# Altium PCB PCB1.PcbDoc
Units mm, origin at the board's own origin, x right, y up, seen from the top; angles counter-clockwise.
Board outline 156.4 x 87.6 mm, 2 copper layers (Top Layer, Bottom Layer); 13 components, 19 nets, 101 pads, 0 vias.
Unrouted connection lines stored in the file: 1.
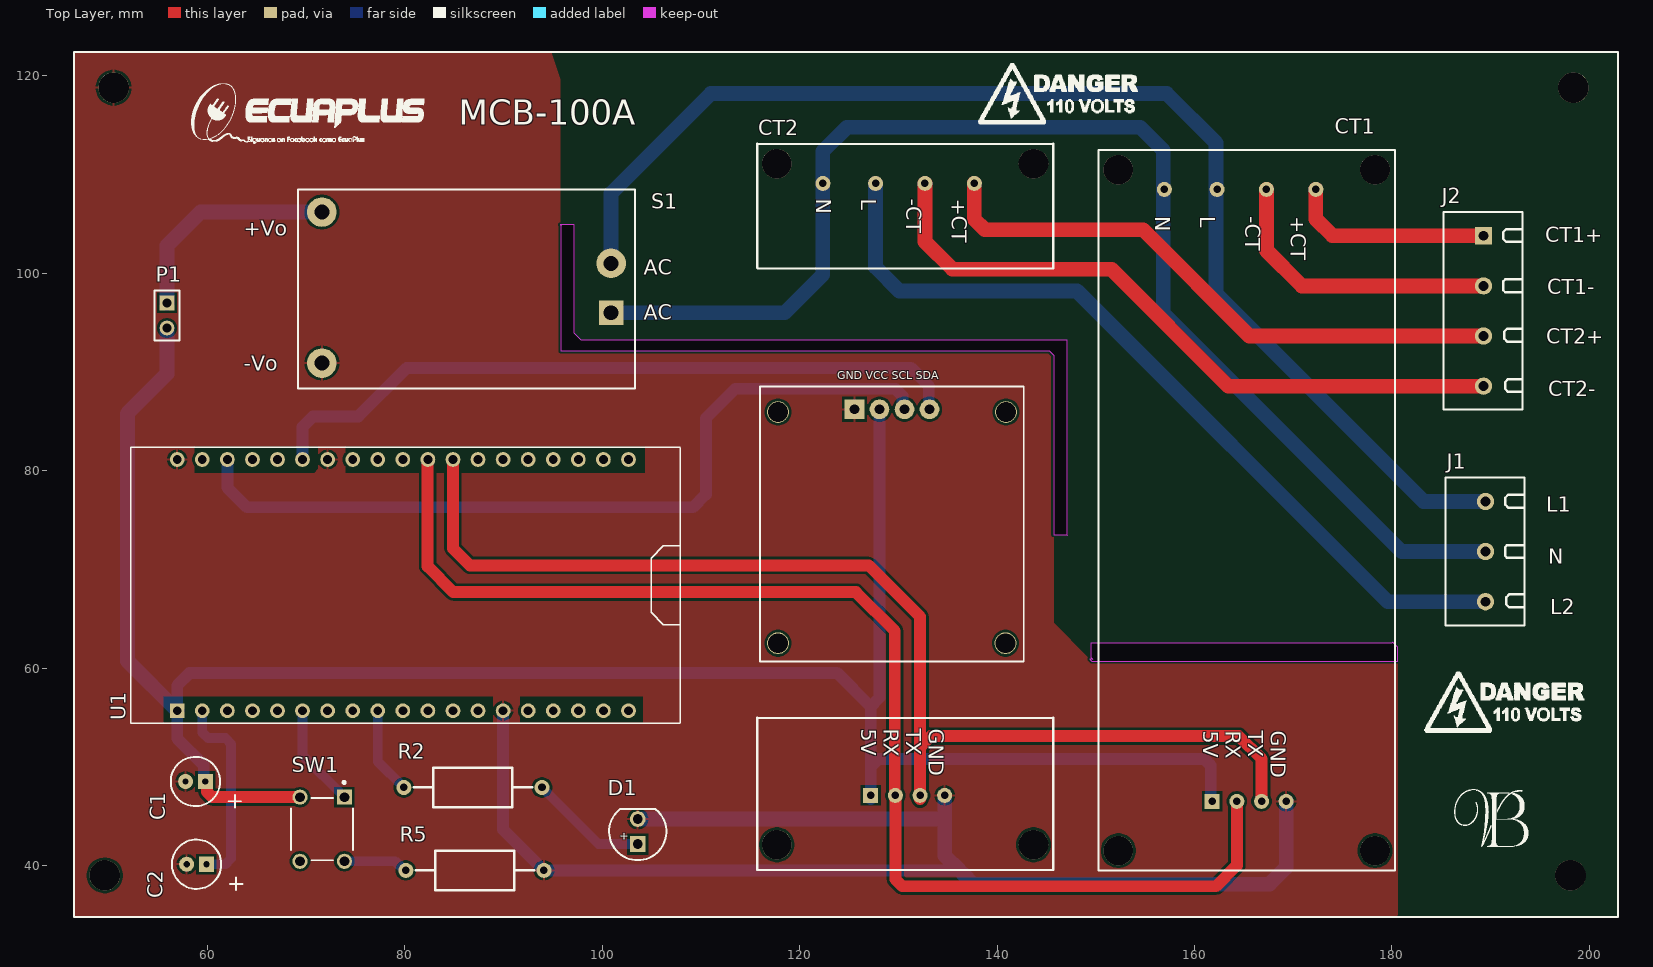
[diagram p0: Top Layer view]
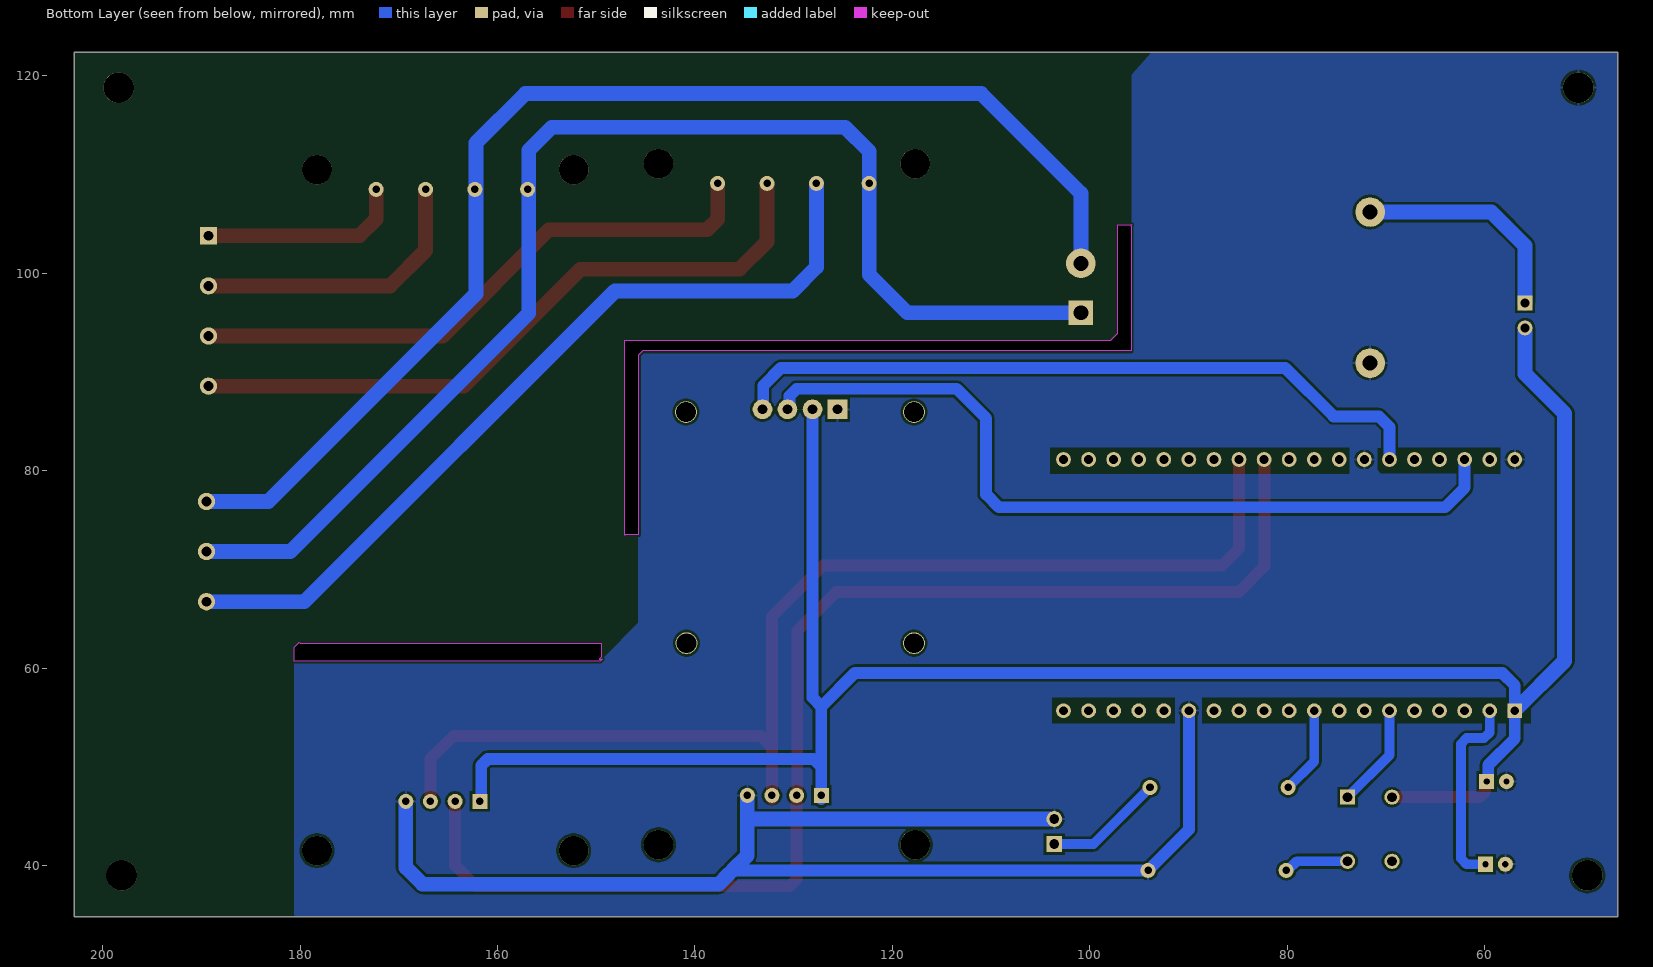
[diagram p1: Bottom Layer view, seen from below]
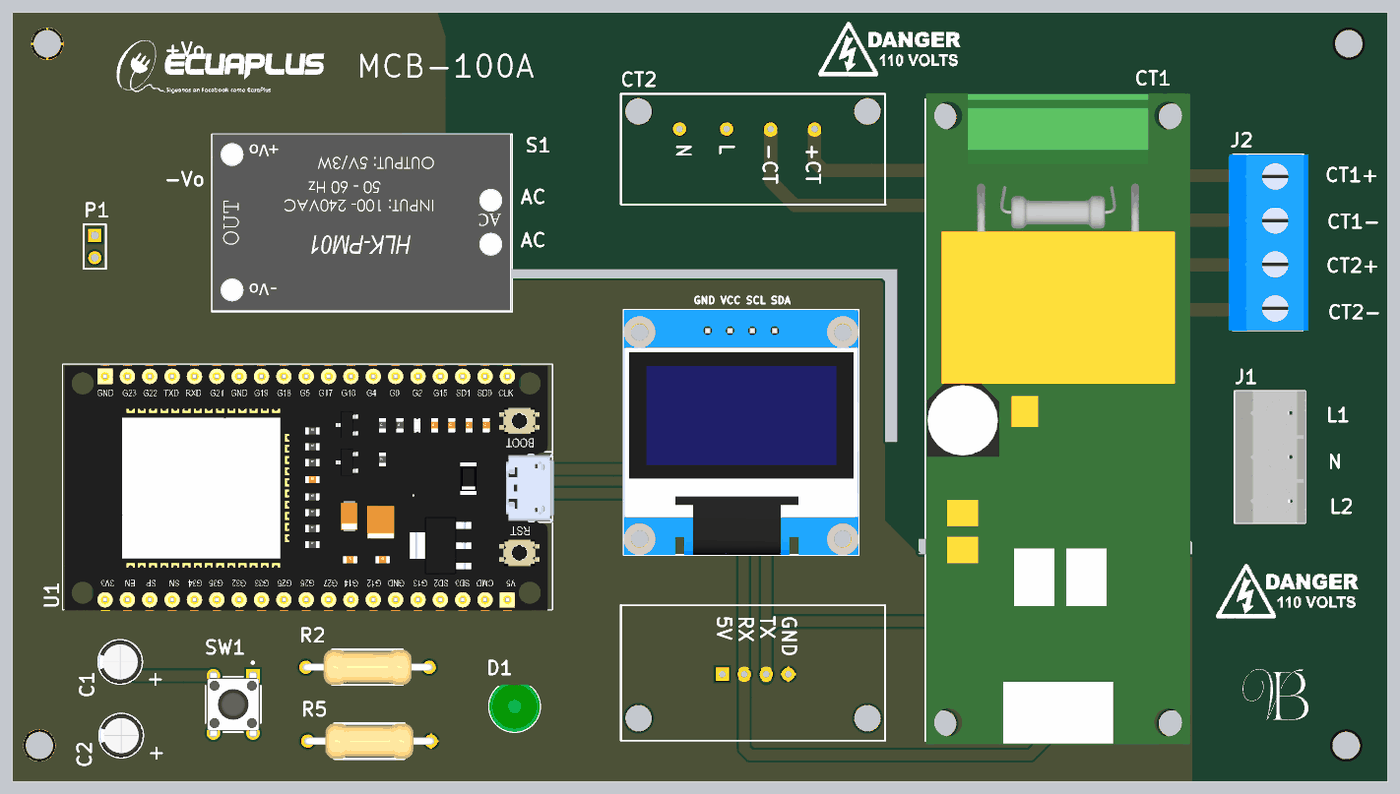
[diagram p2: 3D render of the assembled board from above, using the file's embedded part models]

## Layer stack, top to bottom
Top Solder: solder mask 0.0102, Solder Resist, Dk 3.5
Top Layer: signal copper 0.0356
Dielectric 1: dielectric 0.32, FR-4, Dk 4.8
Bottom Layer: signal copper 0.0356
Bottom Solder: solder mask 0.0102, Solder Resist, Dk 3.5

## Board outline
46.5,34.8 46.5,122.4 202.9,122.4 202.9,34.8
cut-out: 149.4,60.9 149.6,60.7 180.6,60.7 180.6,62.1 180.1,62.6 180,62.5 149.5,62.5 149.5,61.1 149.7,60.9
cut-out: 95.859,104.812 95.789,104.742 95.789,92.124 145.305,92.124 145.729,91.7 145.729,73.5 147.083,73.5 147.129,73.454 147.129,93.2 97.871,93.2 97.171,93.9 97.171,104.912 95.759,104.912

## Design rules (kind name [scope] priority, off if disabled: settings)
Clearance [All] p1: gap=0.254 ignorepadtopadclearanceinfootprint=FALSE except(0: Arc-Hole Track-Hole SMDPad-Hole THPad-Hole Via-Hole Fill-Hole Poly-Hole Region-Hole Text-Hole)
PolygonConnect [All] p1: connectstyle=Relief reliefconductorwidth=0.254 reliefentries=4 polygonreliefangle="90 Angle" airgapwidth=0.254
RoutingVias [All] p1: holewidth=0.711 width=1.27 viastyle="Through Hole" minholewidth=0.711 minwidth=1.27 maxholewidth=0.711 maxwidth=1.27
SolderMaskExpansion [All] p1: expansion=0.102 istentingtop=FALSE
Width [All] p1: maxlimit=3 minlimit=0.254 preferedwidth=1 minimp=50.000000 maximp=50.000000 favimp=50.000000
30 further rules are at their usual default settings.

## Classes and differential pairs
component class sensores: CT1 CT2 J1 J2
component class esquematico: C1 C2 D1 P1 R2 R5 S1 SW1 U1

## Components (designator, comment, footprint, x,y, rotation, side; value= is the part's Value field where it differs from the comment)
C1 "100uF" FP-CAPACITOR 58.784,48.505 r180 top
C2 "10uF" FP-CAPACITOR 58.9,40.124 r180 top
CT1 "PZEM04-100A" FP-PZEM-004-100A 180.375,112.55 r270 top
CT2 "PZEM04-100A_OLED" PZEM100A-OLED 127.2,47.1 r270 top
D1 "LED" FP-LED 104.537,42.096 r90 top
J1 "Aliemtacion AC" "Bornera 3" 193.491,79.258 r270 top
J2 "Bobinas" "BORNERA 4" 189.3,103.8 r270 top
P1 "Header 2" HDR1X2 55.9,97 r270 top
R2 "330Ω" FP-RESISTENCIA 86.9,47.9 r180 top
R5 "10kΩ" FP-RESISTENCIA 87.1,39.5 r180 top
S1 "HLK-PM03" FP-HLK-PW12 103.375,88.45 r180 top
SW1 "Button" FP-BUTTON 71.9,43.624 r270 top
U1 "ESP32-38Pines" ESP32-38pin 79.8,68.4 r90 top

## Footprints (in the part's own frame and the unit in brackets; to place one, negate y for a bottom-side part, rotate by r counter-clockwise, add the part's x,y. Pads: shape width x height; smd on the part's side, far side on the other; paste and mask are expansions set on the pad)
"Bornera 3" [mm]
  round 1.75 hole 1: 1(2.378,-3.991) 2(7.458,-3.991) 3(12.538,-3.991)
  silkscreen extent -0.04,-8.06 14.95,-0.05, body extent -0.04,-7.99 14.96,0.01, height 10
"BORNERA 4" [mm]
  rect 1.75x1.75 hole 1: 1(0,0)
  round 1.75 hole 1: 2(5.08,0) 3(10.16,0) 4(15.24,0)
  silkscreen extent -2.41,-4.06 17.6,3.94, body extent -2.4,-4.5 17.6,4.5, height 12
ESP32-38pin [mm]
  rect 1.5x1.5 hole 0.9: 1(-12.725,22.86)
  round 1.5 hole 0.9: 2(-12.725,20.32) 3(-12.725,17.78) 4(-12.725,15.24) 5(-12.725,12.7) 6(-12.725,10.16) 7(-12.725,7.62) 8(-12.725,5.08) 9(-12.725,2.54) 10(-12.725,0) 11(-12.725,-2.54) 12(-12.725,-5.08) 13(-12.725,-7.62) 14(-12.725,-10.16) 15(-12.725,-12.7) 16(-12.725,-15.24) 17(-12.725,-17.78) 18(-12.725,-20.32) 19(-12.725,-22.86) 20(12.725,-22.86) 21(12.725,-20.32) 22(12.725,-17.78) 23(12.725,-15.24) 24(12.725,-12.7) 25(12.725,-10.16) 26(12.725,-7.62) 27(12.725,-5.08) 28(12.725,-2.54) 29(12.725,0) 30(12.725,2.54) 31(12.725,5.08) 32(12.725,7.62) 33(12.725,10.16) 34(12.725,12.7) 35(12.725,15.24) 36(12.725,17.78) 37(12.725,20.32) 38(12.725,22.86)
  silkscreen extent -13.98,-28.15 13.96,27.55, body extent -14.1,-28.26 13.84,27.32, height 7.01
FP-BUTTON [mm]
  rect 1.54x1.54 hole 0.99 paste-1000 mask+0: 1(-3.298,1.978)
  round 1.54 hole 0.99 paste-1000 mask+0: 2(3.202,1.978) 3(-3.298,-2.522) 4(3.202,-2.522)
  silkscreen extent -4.92,-3.42 3.1,2.87, body extent -4.17,-3.52 4.07,2.97, height 0.25
FP-CAPACITOR [mil]
  rect 60x60 hole 25: 1(-39.37,0)
  round 60 hole 25: 2(39.37,0)
  silkscreen extent -182,-98 98,104, body extent -98,-98 98,98, height 276
FP-HLK-PW12 [mm]
  rect 2.5x2.5 hole 1.5: 1(2.475,-7.55)
  round 3 hole 1.5: 2(2.475,-12.55) 3(31.775,-2.45) 4(31.775,-17.75)
  silkscreen extent 0.05,-20.05 34.18,0.13, body extent 0.18,-20.15 34.18,0.05, height 15.6
FP-LED [mm]
  rect 1.6x1.6 hole 1: 1(0.064,0.937)
  round 1.6 hole 1: 2(2.604,0.937)
  silkscreen extent -1.57,-1.96 3.62,3.84, body extent -1.57,-1.96 3.83,3.84, height 8.72
FP-PZEM-004-100A [mm]
  rect 1.524x1.524 hole 0.762: 1(66.05,-18.575)
  round 1.524 hole 0.762: 2(66.05,-16.075) 3(66.05,-13.575) 4(66.05,-11.075) 5(4.05,-8.075) 6(4.05,-13.075) 7(4.05,-18.075) 8(4.05,-23.425)
  round 3 hole 3: ""(2.05,-2.075) ""(2.05,-28.085) ""(71.05,-28.085) ""(71.05,-2.075)
  silkscreen extent 0.05,-30.08 73.05,-0.08, body extent -0.57,-30 73.43,0, height 16.3
FP-RESISTENCIA [mil]
  round 60 hole 30: 1(-275.59,0) 2(275.59,0)
  silkscreen extent -236,-79 236,79, body extent -291,-79 291,79, height 183
HDR1X2 [mm] "Connector; Header; 2 Position"
  rect 1.5x1.5 hole 0.9: 1(0,0)
  round 1.5 hole 0.9: 2(2.54,0)
  silkscreen extent -1.27,-1.27 3.81,1.27
PZEM100A-OLED [mm]
  rect 1.524x1.524 hole 0.762: 1(0,0)
  round 1.524 hole 0.762: 2(0,2.5) 3(0,5) 4(0,7.5) 5(-62,10.5) 6(-62,5.5) 7(-62,0.5) 8(-62,-4.85)
  rect 2x2 hole 1: 9(-39.115,-1.64)
  round 2 hole 1: 10(-39.115,0.885) 11(-39.115,3.435) 12(-39.115,5.96)
  round 3 hole 3: ""(-64,-9.51) ""(-64,16.5) ""(5,16.5) ""(5,-9.51)
  round 2.2 hole 2: ""(-38.84,-9.39) ""(-38.84,13.71) ""(-15.415,13.66) ""(-15.415,-9.39)
  silkscreen extent -66,-11.53 7.55,18.55, body extent -41.42,-11.19 -13.56,15.51, height 4.77

## Part data
C1 C2: library part "Electrolytic capacitor"
CT1: "Sensor Pzem004 Version 100A"
CT2: "Sensor Pzem004 Version 100A /  / OLED I2C 0.96"
J1: library part "Conector 3"
J2: library part "Conector 4"
P1: "Header, 2-Pin", LatestRevisionDate=17-Jul-2002, LatestRevisionNote="Re-released for DXP Platform.", Publisher="Altium Limited"
R2 R5: library part Resistencia
S1: "100-240V a 3.3V"
SW1: "Button PCB"

## Free pads (board coordinates)
  round 3.1 hole 3.1 mask+0.3: ""(49.6,39) ""(50.5,118.8) ""(198.1,39) ""(198.4,118.8)

## Nets (pads, with @x,y where several pads share a name; then routed paths per layer and width w, separated by ;. In a path a pad name is that pad's centre, name@x,y a point inside that pad or via, vN(x,y) a via of type N, cw(c..) or ccw(c..) an arc to the next point about the centre after c; other vN are vias at no path point)
+3.3V: C1.1 CT1.1 CT2.1 CT2.10 P1.2 SW1.3 SW1.4 U1.1 | length 214.5
  Top Layer w1.2: C1.1 59.946,48.343 59.946,47.463 60.487,46.922 SW1.3
  Bottom Layer w1.2: C1.1 59.622,48.667 59.622,50.178 56.94,52.86 U1.1 56.94,58.24 58.2,59.5 123.8,59.5 127.2,56.1 ; CT2.1@127.2,46.7 CT2.1 127.2,49.997 ; CT2.10 128.085,56.985 127.2,56.1 ; CT1.1@161.65,47 161.65,50.15 161.274,50.526 161,50.8 128.003,50.8 127.2,49.997 ; 127.2,49.997 127.2,56.1
  Bottom Layer w1.5: P1.2 55.9,89.8 51.9,85.8 51.9,60.715 U1.1
BOTON: SW1.1 U1.6 | length 10.5
  Bottom Layer w1: U1.6 69.64,51.16 SW1.1
CT1+: CT1.5 J2.1 | length 20.7
  Top Layer w1.5: CT1.5 172.3,105.5 174,103.8 J2.1
CT1-: CT1.6 J2.2 | length 29.7
  Top Layer w1.5: CT1.6 167.3,102.3 170.88,98.72 J2.2
CT2+: CT2.5 J2.3 | length 60.1
  Top Layer w1.5: CT2.5 137.7,105.479 138.779,104.4 154.8,104.4 165.56,93.64 J2.3
CT2-: CT2.6 J2.4 | length 68.6
  Top Layer w1.5: CT2.6 132.7,103.2 135.5,100.4 151.6,100.4 163.44,88.56 J2.4
GND: C1.2 C2.2 CT1.4 CT2.4 CT2.9 D1.2 pad.@50.5,118.8 R5.1 S1.3 U1.14 U1.32 U1.38 | length 140.4
  Bottom Layer w1.2: U1.14 89.96,43.64 R5.1 136.2,39.5 136.55,39.15
  Bottom Layer w1.5: D1.2 134.7,44.7 ; CT2.4 134.7,44.7 ; 136.2,39.5 134.7,41 134.7,44.7 ; 136.55,39.15 137.6,38.1 167.6,38.1 169.3,39.8 CT1.4
L1: CT1.7 J1.1 S1.2 | length 126
  Bottom Layer w1.5: S1.2 100.9,108.1 111,118.2 157.2,118.2 162.2,113.2 162.2,108.7 162.2,97.9 183.22,76.88 J1.1
L2: CT2.7 J1.3 | length 84.3
  Bottom Layer w1.5: CT2.7 127.7,100.6 130.1,98.2 148.1,98.2 179.58,66.72 J1.3
LED: R2.2 U1.9 | length 8.9
  Bottom Layer w1: U1.9 77.26,50.54 R2.2
N: CT1.8 CT2.8 J1.2 S1.1 | length 131.2
  Bottom Layer w1.5: S1.1 118.5,96 122.35,99.85 CT2.8 122.35,112.35 124.8,114.8 154.5,114.8 156.85,112.45 156.85,108.7 156.85,95.95 181,71.8 J1.2
NetC2_1: C2.1 U1.2 | length 19.9
  Bottom Layer w1: U1.2 59.48,53.486 60.066,52.9 61.814,52.9 62.4,52.314 62.4,40.709 61.814,40.124 C2.1
NetCT1_2: CT1.2 CT2.2 U1.28 | length 128.6
  Top Layer w1.2: U1.28 82.3,81.085 82.3,70.3 84.9,67.7 125.7,67.7 129.638,63.762 CT2.2@129.638,46.762 ; CT2.2@129.638,46.95 129.7,46.95 129.7,38.603 130.403,37.9 162.2,37.9 164.3,40 CT1.2
NetCT1_3: CT1.3 CT2.3 U1.27 | length 118
  Top Layer w1.2: U1.27 84.88,72.12 86.6,70.4 127,70.4 132.2,65.2 132.2,52 ; CT2.3@132.2,46.7 132.2,52 ; CT1.3 166.8,50.8 164.5,53.1 133.3,53.1 132.2,52
NetCT2_11: CT2.11 U1.36 | length 83.1
  Bottom Layer w1.2: U1.36 62.02,78.28 64,76.3 109.2,76.3 110.5,77.6 110.5,85.3 113.5,88.3 129.707,88.3 130.41,87.597 130.41,87.006 130.482,86.934 CT2.11@130.482,86.338
NetCT2_12: CT2.12 U1.33 | length 72.7
  Bottom Layer w1.2: U1.33 69.64,84.437 70.703,85.5 75.3,85.5 80.2,90.4 131.3,90.4 133.085,88.615 CT2.12@133.085,85.89
NetD1_1: D1.1 R2.1 | length 12.1
  Bottom Layer w1: R2.1 99.64,42.16 D1.1
NetP1_1: P1.1 S1.4 | length 22.9
  Bottom Layer w1.5: P1.1 55.9,102.8 59.3,106.2 S1.4
NetR5_2: R5.2 SW1.2 | length 6.6
  Bottom Layer w1: SW1.2 79.037,40.422 79.958,39.5 R5.2
pads on no net: CT1. CT2. U1.3 U1.4 U1.5 U1.7 U1.8 U1.10 U1.11 U1.12 U1.13 U1.15 U1.16 U1.17 U1.18 U1.19 U1.20 U1.21 U1.22 U1.23 U1.24 U1.25 U1.26 U1.29 U1.30 U1.31 U1.34 U1.35 U1.37

## Polygon pours and split planes (outlines as drawn)
GND on Top Layer "GND_L01_P001" (solid, pour order 1): 46.6,122.3 94.845,122.399 95.759,119.659 95.759,92.154 95.789,92.124 145.305,92.124 145.729,91.7 145.729,64.571 149.6,60.7 180.6,60.7 180.6,34.8 180.5,34.9 46.5,34.9
GND on Bottom Layer "GND_L02_P000" (solid, pour order 0): 48.3,122.4 93.7,122.4 95.759,120.1 95.759,119.659 95.759,92.154 95.789,92.124 145.305,92.124 145.729,91.7 145.729,64.571 149.6,60.7 180.6,60.7 180.6,34.8 180.5,34.9 46.5,34.9 46.5,122.4

## Other copper
Top Layer:
  pour cut-out: 74,82.4 104.3,82.4 104.3,79.8 74,79.8 74,82.4 74.1,82.5
  pour cut-out: 91.7,57.1 104.1,57.1 104.1,54.5 91.7,54.5 91.7,57.1 91.8,57.2
  pour cut-out: 55.6,57.1 88.9,57.1 88.9,54.5 55.6,54.5 55.6,57.1 55.7,57.2
  pour cut-out: 58.7,82.4 71.2,82.4 71.2,80.2 70.8,79.8 58.7,79.8 58.7,82.4 58.8,82.5
Bottom Layer:
  pour cut-out: 91.4,57 103.8,57 103.8,54.4 91.4,54.4 91.4,57 91.5,57.1
  pour cut-out: 55.3,57 88.6,57 88.6,54.4 55.3,54.4 55.3,57 55.4,57.1
  pour cut-out: 73.7,82.3 104,82.3 104,79.7 73.7,79.7 73.7,82.3 73.8,82.4
  pour cut-out: 58.4,82.3 70.9,82.3 70.9,80.1 70.5,79.7 58.4,79.7 58.4,82.3 58.5,82.4

## Silkscreen, mask and mechanical layers (free items; w line width, h text height)
Top Overlay:
  drawing of 76 lines, arcs and shapes, not listed
  text "MCB-100A" at 85.454,115.054 h2.5
  text "CT1+" at 195.554,103.154 h1.52
  text "CT1-" at 195.754,97.854 h1.52
  text "CT2+" at 195.654,92.854 h1.52
  text "CT2-" at 195.854,87.554 h1.52
  text "L1" at 195.654,75.854 h1.52
  text "N" at 195.854,70.554 h1.52
  text "L2" at 196.054,65.454 h1.52

## Text inside footprints (layer, text, board x,y; h text height)
CT1: Top Overlay "GND / TX / RX / 5V" at 160.875,53.65 h1.52 r270; Top Overlay "+CT /  / -CT /  / L /  / N" at 156.025,105.8 h1.52 r270
CT2: Top Overlay "+CT /  / -CT /  / L /  / N" at 121.675,107.55 h1.52 r270; Top Overlay "GND VCC SCL SDA" at 123.789,89.244 h0.8; Top Overlay "GND / TX / RX / 5V" at 126.25,53.875 h1.52 r270
D1: Top Overlay "+" at 102.581,42.478 h0.76 r90; Mechanical 15 "+" at 102.581,42.478 h0.76 r90
S1: Top Overlay "+Vo /  /  /  /  /  / -Vo" at 63.7,90.1 h1.52; Top Overlay "AC /  / AC" at 104.2,95.3 h1.52